# EAGLE board Mk4 Final Panel 8up 2x4 (EAGLE 9.0.1), part 7 of 23 (continued)
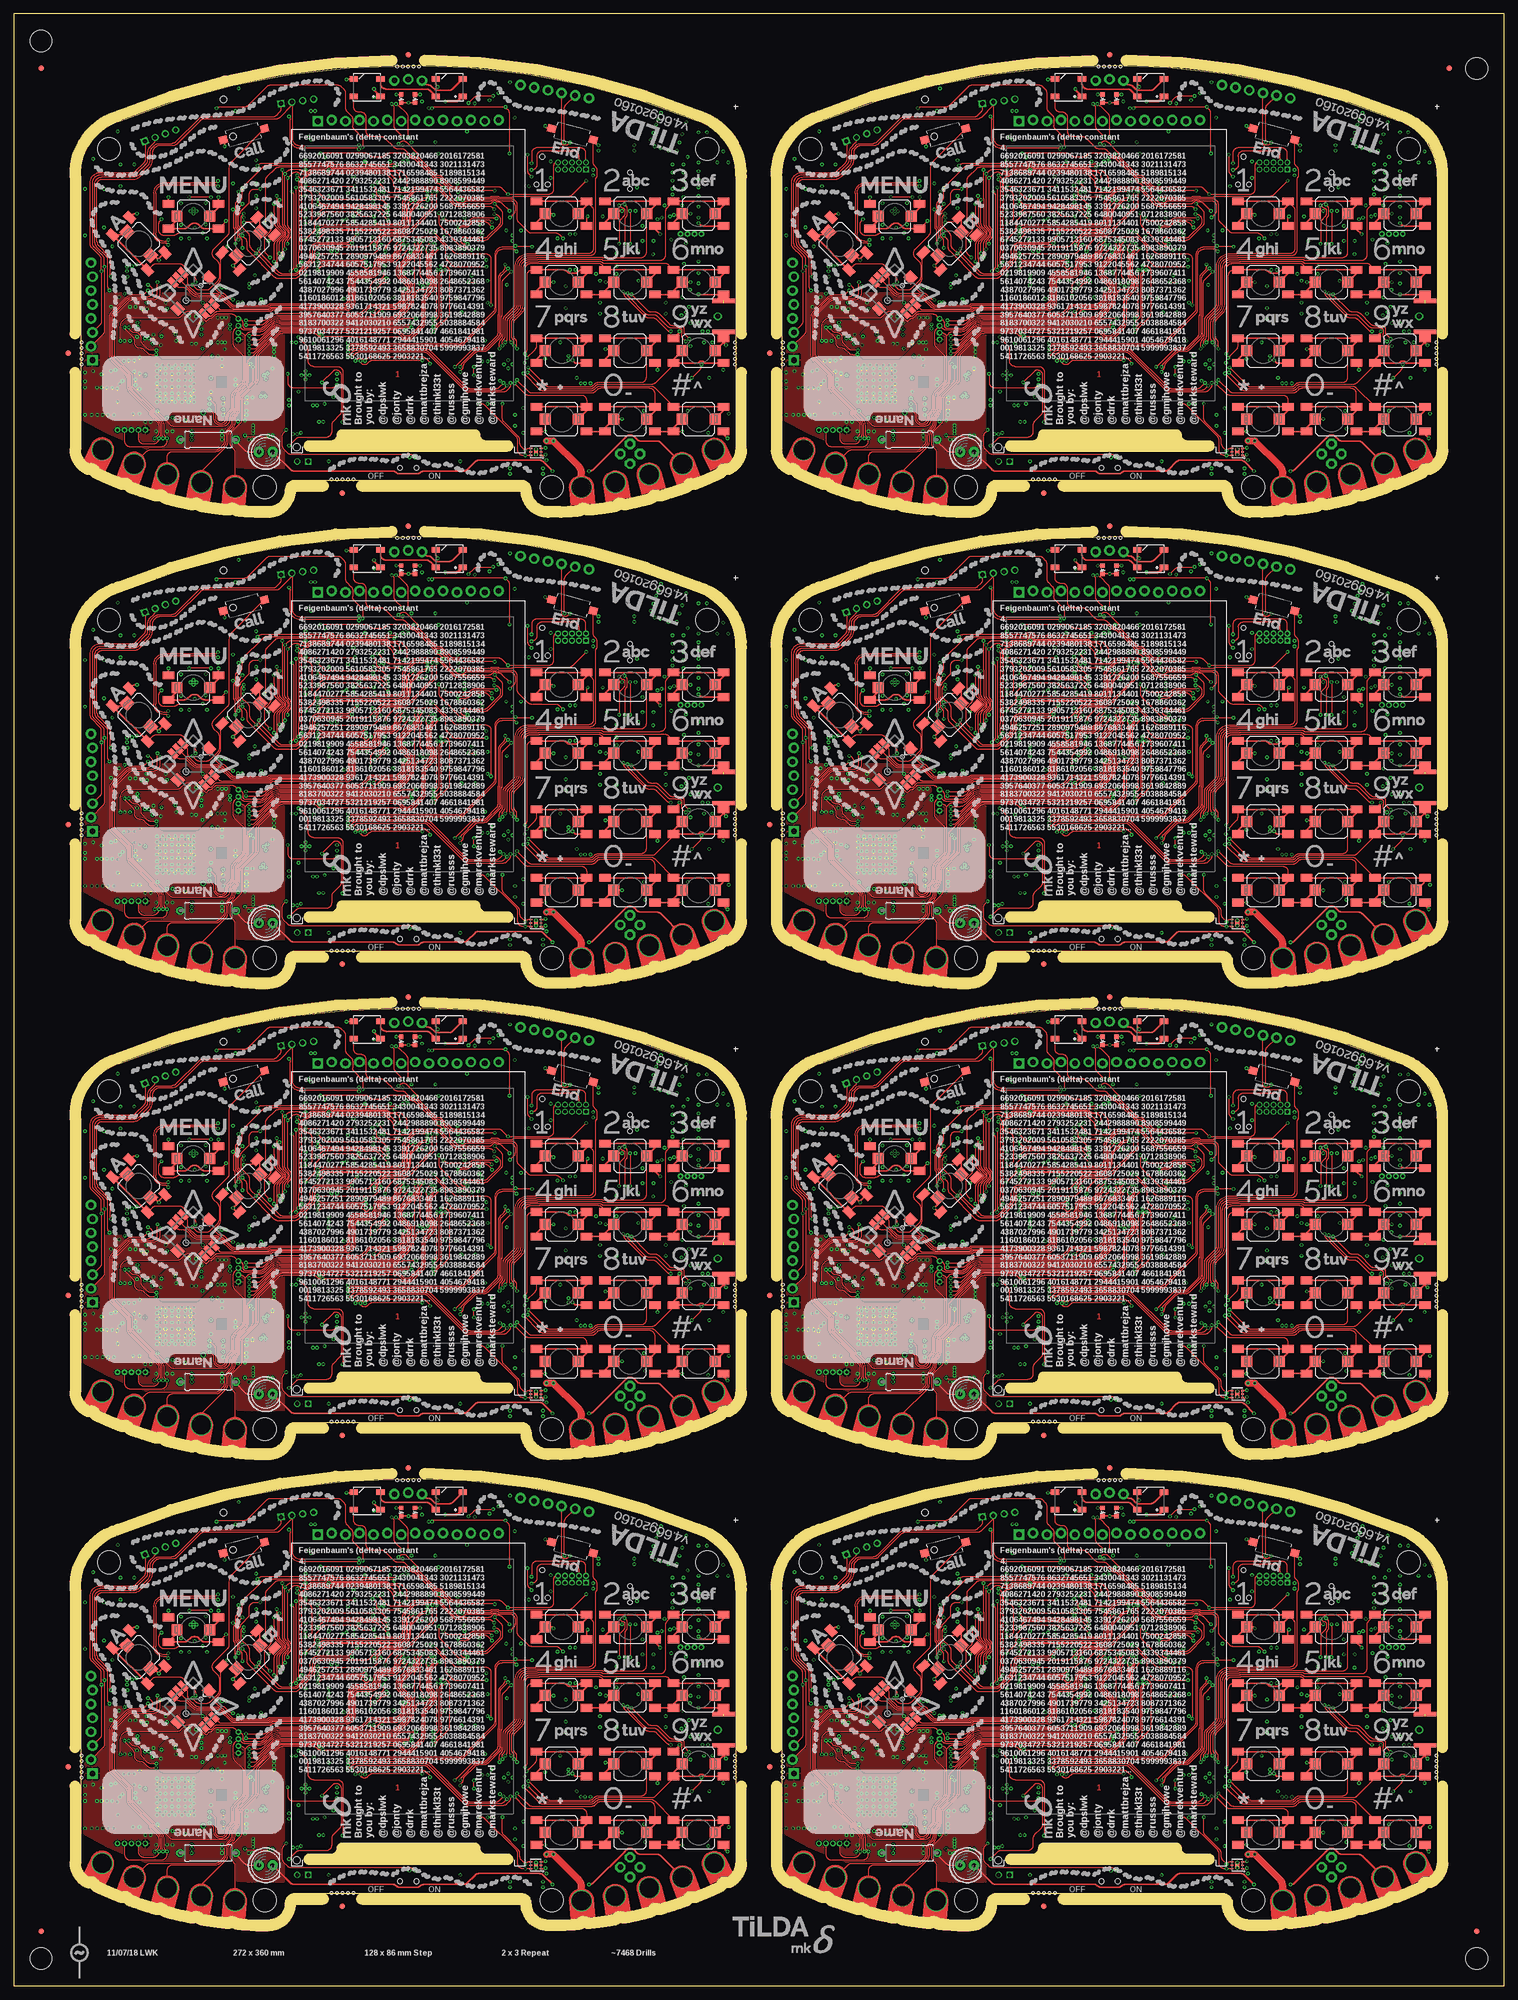
[diagram p0: board, top side]
## Tracks (layer width: path | path; a pad name or v marks a point on that pad's centre or on a via) (continued)
  Bottom 0.2: IC46.1 31.83,153.86 arc-45 32.05,154.4 v32.05,154.5 R233.1
AMP_!SHUTDOWN3  (via drill 0.3)
  Top 0.15: v164,154.5 v160.05,154.5
  3V3@2 0.15: v188.75,150.5 188.75,150.05 188.55,149.85 188.55,141.55 v185.5,138.5
  Bottom 0.15: IC56.46 191.78,150 arc45 191.42,149.85 191.29,149.72 arc-45 190.94,149.57 189.88,149.57 arc-45 189.53,149.72 v188.75,150.5 | v185.5,138.5 185.09,138.91 arc45 184.39,139.2 171.78,139.2 arc-45 171.64,139.26 171.56,139.34 arc45 171.42,139.4 170.76,139.4 arc-45 170.06,139.69 169.54,140.21 arc-45 169.25,140.91 169.25,142.34 arc45 168.96,143.04 167.47,144.53 arc45 167.12,144.68 166.91,144.68 arc-90 166.18,145.41 arc45 165.88,146.12 165.79,146.21 arc-45 165.5,146.91 165.5,151.59 arc45 165.21,152.29 164.29,153.21 arc-45 164,153.91 v164,154.5
  Bottom 0.2: IC64.1 159.82,153.86 arc-45 160.05,154.4 v160.05,154.5 R311.1
AMP_!SHUTDOWN4  (via drill 0.3)
  Top 0.15: v36,240.5 v32.05,240.5
  3V3@2 0.15: v60.75,236.5 60.75,236.05 60.55,235.85 60.55,227.55 v57.5,224.5
  Bottom 0.15: IC74.46 63.77,236 arc45 63.42,235.85 63.29,235.72 arc-45 62.94,235.57 61.88,235.57 arc-45 61.53,235.72 v60.75,236.5 | v57.5,224.5 57.09,224.91 arc45 56.39,225.2 43.78,225.2 arc-45 43.64,225.26 43.56,225.34 arc45 43.42,225.4 42.76,225.4 arc-45 42.06,225.69 41.54,226.21 arc-45 41.25,226.91 41.25,228.34 arc45 40.96,229.04 39.47,230.53 arc45 39.12,230.68 38.91,230.68 arc-90 38.17,231.41 arc45 37.88,232.12 37.79,232.21 arc-45 37.5,232.91 37.5,237.59 arc45 37.21,238.29 36.29,239.21 arc-45 36,239.91 v36,240.5
  Bottom 0.2: IC82.1 31.83,239.86 arc-45 32.05,240.4 v32.05,240.5 R389.1
AMP_!SHUTDOWN5  (via drill 0.3)
  Top 0.15: v164,240.5 v160.05,240.5
  3V3@2 0.15: v188.75,236.5 188.75,236.05 188.55,235.85 188.55,227.55 v185.5,224.5
  Bottom 0.15: IC92.46 191.78,236 arc45 191.42,235.85 191.29,235.72 arc-45 190.94,235.57 189.88,235.57 arc-45 189.53,235.72 v188.75,236.5 | v185.5,224.5 185.09,224.91 arc45 184.39,225.2 171.78,225.2 arc-45 171.64,225.26 171.56,225.34 arc45 171.42,225.4 170.76,225.4 arc-45 170.06,225.69 169.54,226.21 arc-45 169.25,226.91 169.25,228.34 arc45 168.96,229.04 167.47,230.53 arc45 167.12,230.68 166.91,230.68 arc-90 166.18,231.41 arc45 165.88,232.12 165.79,232.21 arc-45 165.5,232.91 165.5,237.59 arc45 165.21,238.29 164.29,239.21 arc-45 164,239.91 v164,240.5
  Bottom 0.2: IC100.1 159.82,239.86 arc-45 160.05,240.4 v160.05,240.5 R467.1
AMP_!SHUTDOWN6  (via drill 0.3)
  Top 0.15: v36,326.5 v32.05,326.5
  3V3@2 0.15: v60.75,322.5 60.75,322.05 60.55,321.85 60.55,313.55 v57.5,310.5
  Bottom 0.15: IC110.46 63.77,322 arc45 63.42,321.85 63.29,321.72 arc-45 62.94,321.57 61.88,321.57 arc-45 61.53,321.72 v60.75,322.5 | v57.5,310.5 57.09,310.91 arc45 56.39,311.2 43.78,311.2 arc-45 43.64,311.26 43.56,311.34 arc45 43.42,311.4 42.76,311.4 arc-45 42.06,311.69 41.54,312.21 arc-45 41.25,312.91 41.25,314.34 arc45 40.96,315.04 39.47,316.53 arc45 39.12,316.68 38.91,316.68 arc-90 38.17,317.41 arc45 37.88,318.12 37.79,318.21 arc-45 37.5,318.91 37.5,323.59 arc45 37.21,324.29 36.29,325.21 arc-45 36,325.91 v36,326.5
  Bottom 0.2: IC118.1 31.83,325.86 arc-45 32.05,326.4 v32.05,326.5 R545.1
AMP_!SHUTDOWN7  (via drill 0.3)
  Top 0.15: v164,326.5 v160.05,326.5
  3V3@2 0.15: v188.75,322.5 188.75,322.05 188.55,321.85 188.55,313.55 v185.5,310.5
  Bottom 0.15: IC128.46 191.78,322 arc45 191.42,321.85 191.29,321.72 arc-45 190.94,321.57 189.88,321.57 arc-45 189.53,321.72 v188.75,322.5 | v185.5,310.5 185.09,310.91 arc45 184.39,311.2 171.78,311.2 arc-45 171.64,311.26 171.56,311.34 arc45 171.42,311.4 170.76,311.4 arc-45 170.06,311.69 169.54,312.21 arc-45 169.25,312.91 169.25,314.34 arc45 168.96,315.04 167.47,316.53 arc45 167.12,316.68 166.91,316.68 arc-90 166.18,317.41 arc45 165.88,318.12 165.79,318.21 arc-45 165.5,318.91 165.5,323.59 arc45 165.21,324.29 164.29,325.21 arc-45 164,325.91 v164,326.5
  Bottom 0.2: IC136.1 159.82,325.86 arc-45 160.05,326.4 v160.05,326.5 R623.1
AMP_IN_N
  Bottom 0.2: 33.42,70.47 R58.2 33.45,69.55 R78.2 33.77,69.22 IC13.4
AMP_IN_N1
  Bottom 0.2: 161.43,70.47 R136.2 161.45,69.55 R154.2 161.78,69.22 IC28.4
AMP_IN_N2
  Bottom 0.2: 33.42,156.47 R214.2 33.45,155.55 R232.2 33.77,155.22 IC46.4
AMP_IN_N3
  Bottom 0.2: 161.43,156.47 R292.2 161.45,155.55 R310.2 161.78,155.22 IC64.4
AMP_IN_N4
  Bottom 0.2: 33.42,242.47 R370.2 33.45,241.55 R388.2 33.77,241.22 IC82.4
AMP_IN_N5
  Bottom 0.2: 161.43,242.47 R448.2 161.45,241.55 R466.2 161.78,241.22 IC100.4
AMP_IN_N6
  Bottom 0.2: 33.42,328.48 R526.2 33.45,327.55 R544.2 33.77,327.23 IC118.4
AMP_IN_N7
  Bottom 0.2: 161.43,328.48 R604.2 161.45,327.55 R622.2 161.78,327.23 IC136.4
AMP_IN_P
  Bottom 0.2: R57.2 R77.2 33.45,73.5 | J9.3 38.76,81.04 arc45 38.05,80.75 J9.2 36.1,78.8 35.8,78.8 33.74,76.74 arc45 33.45,76.04 33.45,73.5 | R75.2 33.45,73.5
AMP_IN_P1
  Bottom 0.2: R135.2 R153.2 161.45,73.5 | J17.3 166.76,81.04 arc45 166.05,80.75 J17.2 164.11,78.8 163.8,78.8 161.74,76.74 arc45 161.45,76.04 161.45,73.5 | R156.2 161.45,73.5
AMP_IN_P2
  Bottom 0.2: R213.2 R231.2 33.45,159.5 | J27.3 38.76,167.04 arc45 38.05,166.75 J27.2 36.1,164.8 35.8,164.8 33.74,162.74 arc45 33.45,162.04 33.45,159.5 | R234.2 33.45,159.5
AMP_IN_P3
  Bottom 0.2: R291.2 R309.2 161.45,159.5 | J37.3 166.76,167.04 arc45 166.05,166.75 J37.2 164.11,164.8 163.8,164.8 161.74,162.74 arc45 161.45,162.04 161.45,159.5 | R312.2 161.45,159.5
AMP_IN_P4
  Bottom 0.2: R369.2 R387.2 33.45,245.5 | J47.3 38.76,253.04 arc45 38.05,252.75 J47.2 36.1,250.8 35.8,250.8 33.74,248.74 arc45 33.45,248.04 33.45,245.5 | R390.2 33.45,245.5
AMP_IN_P5
  Bottom 0.2: R447.2 R465.2 161.45,245.5 | J57.3 166.76,253.04 arc45 166.05,252.75 J57.2 164.11,250.8 163.8,250.8 161.74,248.74 arc45 161.45,248.04 161.45,245.5 | R468.2 161.45,245.5
AMP_IN_P6
  Bottom 0.2: R525.2 R543.2 33.45,331.5 | J67.3 38.76,339.04 arc45 38.05,338.75 J67.2 36.1,336.8 35.8,336.8 33.74,334.74 arc45 33.45,334.04 33.45,331.5 | R546.2 33.45,331.5
AMP_IN_P7
  Bottom 0.2: R603.2 R621.2 161.45,331.5 | J77.3 166.76,339.04 arc45 166.05,338.75 J77.2 164.11,336.8 163.8,336.8 161.74,334.74 arc45 161.45,334.04 161.45,331.5 | R624.2 161.45,331.5
AMP_IN_R1_N
  Bottom 0.15: C106.1 R78.1
AMP_IN_R1_N1
  Bottom 0.15: C214.1 R154.1
AMP_IN_R1_N2
  Bottom 0.15: C322.1 R232.1
AMP_IN_R1_N3
  Bottom 0.15: C430.1 R310.1
AMP_IN_R1_N4
  Bottom 0.15: C538.1 R388.1
AMP_IN_R1_N5
  Bottom 0.15: C646.1 R466.1
AMP_IN_R1_N6
  Bottom 0.15: C754.1 R544.1
AMP_IN_R1_N7
  Bottom 0.15: C862.1 R622.1
AMP_IN_R1_P
  Bottom 0.15: C105.1 R77.1
AMP_IN_R1_P1
  Bottom 0.15: C213.1 R153.1
AMP_IN_R1_P2
  Bottom 0.15: C321.1 R231.1
AMP_IN_R1_P3
  Bottom 0.15: C429.1 R309.1
AMP_IN_R1_P4
  Bottom 0.15: C537.1 R387.1
AMP_IN_R1_P5
  Bottom 0.15: C645.1 R465.1
AMP_IN_R1_P6
  Bottom 0.15: C753.1 R543.1
AMP_IN_R1_P7
  Bottom 0.15: C861.1 R621.1
AMP_IN_R_N
  Bottom 0.2: R58.1 C82.1
AMP_IN_R_N1
  Bottom 0.2: R136.1 C183.1
AMP_IN_R_N2
  Bottom 0.2: R214.1 C291.1
AMP_IN_R_N3
  Bottom 0.2: R292.1 C399.1
AMP_IN_R_N4
  Bottom 0.2: R370.1 C507.1
AMP_IN_R_N5
  Bottom 0.2: R448.1 C615.1
AMP_IN_R_N6
  Bottom 0.2: R526.1 C723.1
AMP_IN_R_N7
  Bottom 0.2: R604.1 C831.1
AMP_IN_R_P
  Bottom 0.2: R57.1 C83.1
AMP_IN_R_P1
  Bottom 0.2: R135.1 C184.1
AMP_IN_R_P2
  Bottom 0.2: R213.1 C292.1
AMP_IN_R_P3
  Bottom 0.2: R291.1 C400.1
AMP_IN_R_P4
  Bottom 0.2: R369.1 C508.1
AMP_IN_R_P5
  Bottom 0.2: R447.1 C616.1
AMP_IN_R_P6
  Bottom 0.2: R525.1 C724.1
AMP_IN_R_P7
  Bottom 0.2: R603.1 C832.1
AMP_IN_TRS_P
  Bottom 0.2: J9.5 44.71,79.83 arc45 45,80.54 45,81.35 arc90 44,82.35 42.51,82.35 arc45 41.81,82.06 41.54,81.79 arc-45 40.84,81.5 36.08,81.5 J9.6 35.32,81.41 arc45 34.62,81.12 34.29,80.79 arc45 34,80.09 34,78.01 arc-45 33.71,77.31 32.79,76.39 arc45 32.5,75.69 R75.1 32.5,69.66 arc45 32.79,68.96 32.83,68.92 arc-45 33.12,68.21 IC13.3
AMP_IN_TRS_P1
  Bottom 0.2: J17.5 172.71,79.83 arc45 173,80.54 173,81.35 arc90 172,82.35 170.51,82.35 arc45 169.81,82.06 169.54,81.79 arc-45 168.84,81.5 164.08,81.5 J17.6 163.32,81.41 arc45 162.62,81.12 162.29,80.79 arc45 162,80.09 162,78.01 arc-45 161.71,77.31 160.79,76.39 arc45 160.5,75.69 R156.1 160.5,69.66 arc45 160.79,68.96 160.83,68.92 arc-45 161.12,68.21 IC28.3
AMP_IN_TRS_P2
  Bottom 0.2: J27.5 44.71,165.83 arc45 45,166.54 45,167.35 arc90 44,168.35 42.51,168.35 arc45 41.81,168.06 41.54,167.79 arc-45 40.84,167.5 36.08,167.5 J27.6 35.32,167.41 arc45 34.62,167.12 34.29,166.79 arc45 34,166.09 34,164.01 arc-45 33.71,163.31 32.79,162.39 arc45 32.5,161.69 R234.1 32.5,155.66 arc45 32.79,154.96 32.83,154.92 arc-45 33.12,154.21 IC46.3
AMP_IN_TRS_P3
  Bottom 0.2: J37.5 172.71,165.83 arc45 173,166.54 173,167.35 arc90 172,168.35 170.51,168.35 arc45 169.81,168.06 169.54,167.79 arc-45 168.84,167.5 164.08,167.5 J37.6 163.32,167.41 arc45 162.62,167.12 162.29,166.79 arc45 162,166.09 162,164.01 arc-45 161.71,163.31 160.79,162.39 arc45 160.5,161.69 R312.1 160.5,155.66 arc45 160.79,154.96 160.83,154.92 arc-45 161.12,154.21 IC64.3
AMP_IN_TRS_P4
  Bottom 0.2: J47.5 44.71,251.83 arc45 45,252.54 45,253.35 arc90 44,254.35 42.51,254.35 arc45 41.81,254.06 41.54,253.79 arc-45 40.84,253.5 36.08,253.5 J47.6 35.32,253.41 arc45 34.62,253.12 34.29,252.79 arc45 34,252.09 34,250.01 arc-45 33.71,249.31 32.79,248.39 arc45 32.5,247.69 R390.1 32.5,241.66 arc45 32.79,240.96 32.83,240.92 arc-45 33.12,240.21 IC82.3
AMP_IN_TRS_P5
  Bottom 0.2: J57.5 172.71,251.83 arc45 173,252.54 173,253.35 arc90 172,254.35 170.51,254.35 arc45 169.81,254.06 169.54,253.79 arc-45 168.84,253.5 164.08,253.5 J57.6 163.32,253.41 arc45 162.62,253.12 162.29,252.79 arc45 162,252.09 162,250.01 arc-45 161.71,249.31 160.79,248.39 arc45 160.5,247.69 R468.1 160.5,241.66 arc45 160.79,240.96 160.83,240.92 arc-45 161.12,240.21 IC100.3
AMP_IN_TRS_P6
  Bottom 0.2: J67.5 44.71,337.83 arc45 45,338.54 45,339.35 arc90 44,340.35 42.51,340.35 arc45 41.81,340.06 41.54,339.79 arc-45 40.84,339.5 36.08,339.5 J67.6 35.32,339.41 arc45 34.62,339.12 34.29,338.79 arc45 34,338.09 34,336.01 arc-45 33.71,335.31 32.79,334.39 arc45 32.5,333.69 R546.1 32.5,327.66 arc45 32.79,326.96 32.83,326.92 arc-45 33.12,326.21 IC118.3
AMP_IN_TRS_P7
  Bottom 0.2: J77.5 172.71,337.83 arc45 173,338.54 173,339.35 arc90 172,340.35 170.51,340.35 arc45 169.81,340.06 169.54,339.79 arc-45 168.84,339.5 164.08,339.5 J77.6 163.32,339.41 arc45 162.62,339.12 162.29,338.79 arc45 162,338.09 162,336.01 arc-45 161.71,335.31 160.79,334.39 arc45 160.5,333.69 R624.1 160.5,327.66 arc45 160.79,326.96 160.83,326.92 arc-45 161.12,326.21 IC136.3
BQ_!CE
  Bottom 0.15: R17.1 IC8.9
BQ_!CE1
  Bottom 0.15: R99.1 IC24.9
BQ_!CE2
  Bottom 0.15: R177.1 IC42.9
BQ_!CE3
  Bottom 0.15: R255.1 IC60.9
BQ_!CE4
  Bottom 0.15: R333.1 IC78.9
BQ_!CE5
  Bottom 0.15: R411.1 IC96.9
BQ_!CE6
  Bottom 0.15: R489.1 IC114.9
BQ_!CE7
  Bottom 0.15: R567.1 IC132.9
BQ_!INT  (via drill 0.3)
  Top 0.15: v73,59.2 73,58.66 arc-45 72.85,58.31 70.58,56.04 arc90 70.58,53.92 72.08,52.42 arc-45 72.3,51.89 72.3,51.53 arc-45 72.15,51.18 71.95,50.97 arc45 71.8,50.62 71.8,50.33 arc-45 71.29,49.09 70.81,48.61 arc-45 69.58,48.1 67.41,48.1 arc45 66.71,47.81 66.05,47.15 arc-90 65.35,47.15 v64.9,47.6
  Bottom 0.15: v73,59.2 IC1.14 | IC8.7 63.9,37.25 arc90 64.9,38.25 v64.9,47.6
BQ_!INT1  (via drill 0.3)
  Top 0.15: v201,59.2 201,58.66 arc-45 200.85,58.31 198.58,56.04 arc90 198.58,53.92 200.08,52.42 arc-45 200.3,51.89 200.3,51.53 arc-45 200.15,51.18 199.95,50.97 arc45 199.8,50.62 199.8,50.33 arc-45 199.29,49.09 198.81,48.61 arc-45 197.57,48.1 195.41,48.1 arc45 194.71,47.81 194.05,47.15 arc-90 193.35,47.15 v192.9,47.6
  Bottom 0.15: v201,59.2 IC20.14 | IC24.7 191.9,37.25 arc90 192.9,38.25 v192.9,47.6
BQ_!INT2  (via drill 0.3)
  Top 0.15: v73,145.2 73,144.66 arc-45 72.85,144.31 70.58,142.04 arc90 70.58,139.92 72.08,138.42 arc-45 72.3,137.89 72.3,137.53 arc-45 72.15,137.18 71.95,136.97 arc45 71.8,136.62 71.8,136.32 arc-45 71.29,135.09 70.81,134.61 arc-45 69.58,134.1 67.41,134.1 arc45 66.71,133.81 66.05,133.15 arc-90 65.35,133.15 v64.9,133.6
  Bottom 0.15: v73,145.2 IC38.14 | IC42.7 63.9,123.25 arc90 64.9,124.25 v64.9,133.6
BQ_!INT3  (via drill 0.3)
  Top 0.15: v201,145.2 201,144.66 arc-45 200.85,144.31 198.58,142.04 arc90 198.58,139.92 200.08,138.42 arc-45 200.3,137.89 200.3,137.53 arc-45 200.15,137.18 199.95,136.97 arc45 199.8,136.62 199.8,136.32 arc-45 199.29,135.09 198.81,134.61 arc-45 197.57,134.1 195.41,134.1 arc45 194.71,133.81 194.05,133.15 arc-90 193.35,133.15 v192.9,133.6
  Bottom 0.15: v201,145.2 IC56.14 | IC60.7 191.9,123.25 arc90 192.9,124.25 v192.9,133.6
BQ_!INT4  (via drill 0.3)
  Top 0.15: v73,231.2 73,230.66 arc-45 72.85,230.31 70.58,228.04 arc90 70.58,225.92 72.08,224.42 arc-45 72.3,223.89 72.3,223.53 arc-45 72.15,223.18 71.95,222.97 arc45 71.8,222.62 71.8,222.32 arc-45 71.29,221.09 70.81,220.61 arc-45 69.58,220.1 67.41,220.1 arc45 66.71,219.81 66.05,219.15 arc-90 65.35,219.15 v64.9,219.6
  Bottom 0.15: v73,231.2 IC74.14 | IC78.7 63.9,209.25 arc90 64.9,210.25 v64.9,219.6
BQ_!INT5  (via drill 0.3)
  Top 0.15: v201,231.2 201,230.66 arc-45 200.85,230.31 198.58,228.04 arc90 198.58,225.92 200.08,224.42 arc-45 200.3,223.89 200.3,223.53 arc-45 200.15,223.18 199.95,222.97 arc45 199.8,222.62 199.8,222.32 arc-45 199.29,221.09 198.81,220.61 arc-45 197.57,220.1 195.41,220.1 arc45 194.71,219.81 194.05,219.15 arc-90 193.35,219.15 v192.9,219.6
  Bottom 0.15: v201,231.2 IC92.14 | IC96.7 191.9,209.25 arc90 192.9,210.25 v192.9,219.6
BQ_!INT6  (via drill 0.3)
  Top 0.15: v73,317.2 73,316.67 arc-45 72.85,316.31 70.58,314.04 arc90 70.58,311.92 72.08,310.42 arc-45 72.3,309.89 72.3,309.53 arc-45 72.15,309.18 71.95,308.97 arc45 71.8,308.62 71.8,308.32 arc-45 71.29,307.09 70.81,306.61 arc-45 69.58,306.1 67.41,306.1 arc45 66.71,305.81 66.05,305.15 arc-90 65.35,305.15 v64.9,305.6
  Bottom 0.15: v73,317.2 IC110.14 | IC114.7 63.9,295.25 arc90 64.9,296.25 v64.9,305.6
BQ_!INT7  (via drill 0.3)
  Top 0.15: v201,317.2 201,316.67 arc-45 200.85,316.31 198.58,314.04 arc90 198.58,311.92 200.08,310.42 arc-45 200.3,309.89 200.3,309.53 arc-45 200.15,309.18 199.95,308.97 arc45 199.8,308.62 199.8,308.32 arc-45 199.29,307.09 198.81,306.61 arc-45 197.57,306.1 195.41,306.1 arc45 194.71,305.81 194.05,305.15 arc-90 193.35,305.15 v192.9,305.6
  Bottom 0.15: v201,317.2 IC128.14 | IC132.7 191.9,295.25 arc90 192.9,296.25 v192.9,305.6
BQ_!QON  (via drill 0.3)
  Top 0.15: v56.25,34.7 58.41,36.86 arc-45 58.75,37 arc-90 59.75,36 59.75,29.41 arc-45 59.46,28.71 58.29,27.54 arc45 58,26.84 58,25.65 arc-90 57,24.65 52.16,24.65 arc45 51.46,24.36 v50.25,23.15
  Bottom 0.15: IC8.12 56.2,34.75 v56.25,34.7 | JP3.2 50.54,21.46 arc-45 50.25,22.16 v50.25,23.15
BQ_!QON1  (via drill 0.3)
  Top 0.15: v184.25,34.7 186.41,36.86 arc-45 186.75,37 arc-90 187.75,36 187.75,29.41 arc-45 187.46,28.71 186.29,27.54 arc45 186,26.84 186,25.65 arc-90 185,24.65 180.16,24.65 arc45 179.46,24.36 v178.25,23.15
  Bottom 0.15: IC24.12 184.2,34.75 v184.25,34.7 | JP13.2 178.54,21.46 arc-45 178.25,22.16 v178.25,23.15
BQ_!QON2  (via drill 0.3)
  Top 0.15: v56.25,120.7 58.41,122.86 arc-45 58.75,123 arc-90 59.75,122 59.75,115.41 arc-45 59.46,114.71 58.29,113.54 arc45 58,112.84 58,111.65 arc-90 57,110.65 52.16,110.65 arc45 51.46,110.36 v50.25,109.15
  Bottom 0.15: IC42.12 56.2,120.75 v56.25,120.7 | JP22.2 50.54,107.46 arc-45 50.25,108.16 v50.25,109.15
BQ_!QON3  (via drill 0.3)
  Top 0.15: v184.25,120.7 186.41,122.86 arc-45 186.75,123 arc-90 187.75,122 187.75,115.41 arc-45 187.46,114.71 186.29,113.54 arc45 186,112.84 186,111.65 arc-90 185,110.65 180.16,110.65 arc45 179.46,110.36 v178.25,109.15
  Bottom 0.15: IC60.12 184.2,120.75 v184.25,120.7 | JP31.2 178.54,107.46 arc-45 178.25,108.16 v178.25,109.15
BQ_!QON4  (via drill 0.3)
  Top 0.15: v56.25,206.7 58.41,208.86 arc-45 58.75,209 arc-90 59.75,208 59.75,201.41 arc-45 59.46,200.71 58.29,199.54 arc45 58,198.84 58,197.65 arc-90 57,196.65 52.16,196.65 arc45 51.46,196.36 v50.25,195.15
  Bottom 0.15: IC78.12 56.2,206.75 v56.25,206.7 | JP40.2 50.54,193.46 arc-45 50.25,194.16 v50.25,195.15
BQ_!QON5  (via drill 0.3)
  Top 0.15: v184.25,206.7 186.41,208.86 arc-45 186.75,209 arc-90 187.75,208 187.75,201.41 arc-45 187.46,200.71 186.29,199.54 arc45 186,198.84 186,197.65 arc-90 185,196.65 180.16,196.65 arc45 179.46,196.36 v178.25,195.15
  Bottom 0.15: IC96.12 184.2,206.75 v184.25,206.7 | JP49.2 178.54,193.46 arc-45 178.25,194.16 v178.25,195.15
BQ_!QON6  (via drill 0.3)
  Top 0.15: v56.25,292.7 58.41,294.86 arc-45 58.75,295 arc-90 59.75,294 59.75,287.41 arc-45 59.46,286.71 58.29,285.54 arc45 58,284.84 58,283.65 arc-90 57,282.65 52.16,282.65 arc45 51.46,282.36 v50.25,281.15
  Bottom 0.15: IC114.12 56.2,292.75 v56.25,292.7 | JP58.2 50.54,279.46 arc-45 50.25,280.16 v50.25,281.15
BQ_!QON7  (via drill 0.3)
  Top 0.15: v184.25,292.7 186.41,294.86 arc-45 186.75,295 arc-90 187.75,294 187.75,287.41 arc-45 187.46,286.71 186.29,285.54 arc45 186,284.84 186,283.65 arc-90 185,282.65 180.16,282.65 arc45 179.46,282.36 v178.25,281.15
  Bottom 0.15: IC132.12 184.2,292.75 v184.25,292.7 | JP67.2 178.54,279.46 arc-45 178.25,280.16 v178.25,281.15
BQ_PMID
  Bottom 0.3: IC8.23 50.42,36.75
  Bottom 0.4: C36.1 49.3,37.04 49.92,37.04 arc-45 50.27,36.9 50.42,36.75
BQ_PMID1
  Bottom 0.3: IC24.23 178.42,36.75
  Bottom 0.4: C148.1 177.31,37.04 177.92,37.04 arc-45 178.27,36.9 178.42,36.75
BQ_PMID2
  Bottom 0.3: IC42.23 50.42,122.75
  Bottom 0.4: C256.1 49.3,123.04 49.92,123.04 arc-45 50.27,122.9 50.42,122.75
BQ_PMID3
  Bottom 0.3: IC60.23 178.42,122.75
  Bottom 0.4: C364.1 177.31,123.04 177.92,123.04 arc-45 178.27,122.9 178.42,122.75
BQ_PMID4
  Bottom 0.3: IC78.23 50.42,208.75
  Bottom 0.4: C472.1 49.3,209.04 49.92,209.04 arc-45 50.27,208.9 50.42,208.75
BQ_PMID5
  Bottom 0.3: IC96.23 178.42,208.75
  Bottom 0.4: C580.1 177.31,209.04 177.92,209.04 arc-45 178.27,208.9 178.42,208.75
BQ_PMID6
  Bottom 0.3: IC114.23 50.42,294.75
  Bottom 0.4: C688.1 49.3,295.05 49.92,295.05 arc-45 50.27,294.9 50.42,294.75
BQ_PMID7
  Bottom 0.3: IC132.23 178.42,294.75
  Bottom 0.4: C796.1 177.31,295.05 177.92,295.05 arc-45 178.27,294.9 178.42,294.75
BQ_PSEL
  Bottom 0.15: IC8.2 52.5,41.25 R19.1 R18.1
BQ_PSEL1
  Bottom 0.15: IC24.2 180.5,41.25 R101.1 R100.1
BQ_PSEL2
  Bottom 0.15: IC42.2 52.5,127.25 R179.1 R178.1
BQ_PSEL3
  Bottom 0.15: IC60.2 180.5,127.25 R257.1 R256.1
BQ_PSEL4
  Bottom 0.15: IC78.2 52.5,213.25 R335.1 R334.1
BQ_PSEL5
  Bottom 0.15: IC96.2 180.5,213.25 R413.1 R412.1
BQ_PSEL6
  Bottom 0.15: IC114.2 52.5,299.25 R491.1 R490.1
BQ_PSEL7
  Bottom 0.15: IC132.2 180.5,299.25 R569.1 R568.1
BQ_REGN  (via drill 0.3)
  Top 0.2: v50,36.25 50,34.75 arc90 51,33.75 58.09,33.75 arc45 58.79,34.04 v59,34.25
  Bottom 0.25: IC8.22 v50,36.25
  Bottom 0.3: R16.2 v59,34.25
  Bottom 0.4: C39.2 v50,36.25
BQ_REGN1  (via drill 0.3)
  Top 0.2: v178,36.25 178,34.75 arc90 179,33.75 186.09,33.75 arc45 186.79,34.04 v187,34.25
  Bottom 0.25: IC24.22 v178,36.25
  Bottom 0.3: R98.2 v187,34.25
  Bottom 0.4: C149.2 v178,36.25
BQ_REGN2  (via drill 0.3)
  Top 0.2: v50,122.25 50,120.75 arc90 51,119.75 58.09,119.75 arc45 58.79,120.04 v59,120.25
  Bottom 0.25: IC42.22 v50,122.25
  Bottom 0.3: R176.2 v59,120.25
  Bottom 0.4: C257.2 v50,122.25
BQ_REGN3  (via drill 0.3)
  Top 0.2: v178,122.25 178,120.75 arc90 179,119.75 186.09,119.75 arc45 186.79,120.04 v187,120.25
  Bottom 0.25: IC60.22 v178,122.25
  Bottom 0.3: R254.2 v187,120.25
  Bottom 0.4: C365.2 v178,122.25
BQ_REGN4  (via drill 0.3)
  Top 0.2: v50,208.25 50,206.75 arc90 51,205.75 58.09,205.75 arc45 58.79,206.04 v59,206.25
  Bottom 0.25: IC78.22 v50,208.25
  Bottom 0.3: R332.2 v59,206.25
  Bottom 0.4: C473.2 v50,208.25
BQ_REGN5  (via drill 0.3)
  Top 0.2: v178,208.25 178,206.75 arc90 179,205.75 186.09,205.75 arc45 186.79,206.04 v187,206.25
  Bottom 0.25: IC96.22 v178,208.25
  Bottom 0.3: R410.2 v187,206.25
  Bottom 0.4: C581.2 v178,208.25
BQ_REGN6  (via drill 0.3)
  Top 0.2: v50,294.25 50,292.75 arc90 51,291.75 58.09,291.75 arc45 58.79,292.04 v59,292.25
  Bottom 0.25: IC114.22 v50,294.25
  Bottom 0.3: R488.2 v59,292.25
  Bottom 0.4: C689.2 v50,294.25
BQ_REGN7  (via drill 0.3)
  Top 0.2: v178,294.25 178,292.75 arc90 179,291.75 186.09,291.75 arc45 186.79,292.04 v187,292.25
  Bottom 0.25: IC132.22 v178,294.25
  Bottom 0.3: R566.2 v187,292.25
  Bottom 0.4: C797.2 v178,294.25
BQ_STAT
  Bottom 0.15: IC8.4 53.5,39.25 R20.1
BQ_STAT1
  Bottom 0.15: IC24.4 181.5,39.25 R102.1
BQ_STAT2
  Bottom 0.15: IC42.4 53.5,125.25 R180.1
BQ_STAT3
  Bottom 0.15: IC60.4 181.5,125.25 R258.1
BQ_STAT4
  Bottom 0.15: IC78.4 53.5,211.25 R336.1
BQ_STAT5
  Bottom 0.15: IC96.4 181.5,211.25 R414.1
BQ_STAT6
  Bottom 0.15: IC114.4 53.5,297.25 R492.1
BQ_STAT7
  Bottom 0.15: IC132.4 181.5,297.25 R570.1
BQ_STAT_R
  Bottom 0.15: LED6.C 54,40.75 R20.2
BQ_STAT_R1
  Bottom 0.15: LED12.C 182,40.75 R102.2
BQ_STAT_R2
  Bottom 0.15: LED18.C 54,126.75 R180.2
BQ_STAT_R3
  Bottom 0.15: LED24.C 182,126.75 R258.2
BQ_STAT_R4
  Bottom 0.15: LED30.C 54,212.75 R336.2
BQ_STAT_R5
  Bottom 0.15: LED36.C 182,212.75 R414.2
BQ_STAT_R6
  Bottom 0.15: LED42.C 54,298.75 R492.2
BQ_STAT_R7
  Bottom 0.15: LED48.C 182,298.75 R570.2
BQ_SW
  pour Bottom (no thermals): 51.5,35.3 50.3,35.3 49.85,34.85 arc-45 49.49,34.7 49.01,34.7 arc-45 48.65,34.85 48.5,35 48.5,35.45 48.05,35.45 47.3,34.7 arc45 47.15,34.34 47.15,32.5 49.5,32.5 arc90 50,33 50,33.79 arc-45 50.15,34.15 50.7,34.7 51.5,34.7
BQ_SW1
  pour Bottom (no thermals): 179.5,35.3 178.3,35.3 177.85,34.85 arc-45 177.49,34.7 177.01,34.7 arc-45 176.65,34.85 176.5,35 176.5,35.45 176.05,35.45 175.3,34.7 arc45 175.15,34.34 175.15,32.5 177.5,32.5 arc90 178,33 178,33.79 arc-45 178.15,34.15 178.7,34.7 179.5,34.7
BQ_SW2
  pour Bottom (no thermals): 51.5,121.3 50.3,121.3 49.85,120.85 arc-45 49.49,120.7 49.01,120.7 arc-45 48.65,120.85 48.5,121 48.5,121.45 48.05,121.45 47.3,120.7 arc45 47.15,120.34 47.15,118.5 49.5,118.5 arc90 50,119 50,119.79 arc-45 50.15,120.15 50.7,120.7 51.5,120.7
BQ_SW3
  pour Bottom (no thermals): 179.5,121.3 178.3,121.3 177.85,120.85 arc-45 177.49,120.7 177.01,120.7 arc-45 176.65,120.85 176.5,121 176.5,121.45 176.05,121.45 175.3,120.7 arc45 175.15,120.34 175.15,118.5 177.5,118.5 arc90 178,119 178,119.79 arc-45 178.15,120.15 178.7,120.7 179.5,120.7
BQ_SW4
  pour Bottom (no thermals): 51.5,207.3 50.3,207.3 49.85,206.85 arc-45 49.49,206.7 49.01,206.7 arc-45 48.65,206.85 48.5,207 48.5,207.45 48.05,207.45 47.3,206.7 arc45 47.15,206.34 47.15,204.5 49.5,204.5 arc90 50,205 50,205.79 arc-45 50.15,206.15 50.7,206.7 51.5,206.7
BQ_SW5
  pour Bottom (no thermals): 179.5,207.3 178.3,207.3 177.85,206.85 arc-45 177.49,206.7 177.01,206.7 arc-45 176.65,206.85 176.5,207 176.5,207.45 176.05,207.45 175.3,206.7 arc45 175.15,206.34 175.15,204.5 177.5,204.5 arc90 178,205 178,205.79 arc-45 178.15,206.15 178.7,206.7 179.5,206.7
BQ_SW6
  pour Bottom (no thermals): 51.5,293.3 50.3,293.3 49.85,292.85 arc-45 49.49,292.7 49.01,292.7 arc-45 48.65,292.85 48.5,293 48.5,293.45 48.05,293.45 47.3,292.7 arc45 47.15,292.34 47.15,290.5 49.5,290.5 arc90 50,291 50,291.79 arc-45 50.15,292.15 50.7,292.7 51.5,292.7
BQ_SW7
  pour Bottom (no thermals): 179.5,293.3 178.3,293.3 177.85,292.85 arc-45 177.49,292.7 177.01,292.7 arc-45 176.65,292.85 176.5,293 176.5,293.45 176.05,293.45 175.3,292.7 arc45 175.15,292.34 175.15,290.5 177.5,290.5 arc90 178,291 178,291.79 arc-45 178.15,292.15 178.7,292.7 179.5,292.7
BQ_TS
  Bottom 0.15: R16.1 R15.2 IC8.11
BQ_TS1
  Bottom 0.15: R98.1 R97.2 IC24.11
BQ_TS2
  Bottom 0.15: R176.1 R175.2 IC42.11
BQ_TS3
  Bottom 0.15: R254.1 R253.2 IC60.11
BQ_TS4
  Bottom 0.15: R332.1 R331.2 IC78.11
BQ_TS5
  Bottom 0.15: R410.1 R409.2 IC96.11
BQ_TS6
  Bottom 0.15: R488.1 R487.2 IC114.11
BQ_TS7
  Bottom 0.15: R566.1 R565.2 IC132.11
BT_ANT
  Bottom 0.4: IC5.20 115.8,63 arc-90 118.8,66 119.25,66 arc90 121.25,68 121.25,75.5 arc-21 122,76.5 arc-6 C74.2 arc-6 L5.1
BT_ANT1
  Bottom 0.4: IC21.20 243.8,63 arc-90 246.8,66 247.25,66 arc90 249.25,68 249.25,75.5 arc-21 250,76.5 arc-6 C175.2 arc-6 L14.1
BT_ANT2
  Bottom 0.4: IC39.20 115.8,149 arc-90 118.8,152 119.25,152 arc90 121.25,154 121.25,161.5 arc-21 122,162.5 arc-6 C283.2 arc-6 L23.1
BT_ANT3
  Bottom 0.4: IC57.20 243.8,149 arc-90 246.8,152 247.25,152 arc90 249.25,154 249.25,161.5 arc-21 250,162.5 arc-6 C391.2 arc-6 L32.1
BT_ANT4
  Bottom 0.4: IC75.20 115.8,235 arc-90 118.8,238 119.25,238 arc90 121.25,240 121.25,247.5 arc-21 122,248.5 arc-6 C499.2 arc-6 L41.1
BT_ANT5
  Bottom 0.4: IC93.20 243.8,235 arc-90 246.8,238 247.25,238 arc90 249.25,240 249.25,247.5 arc-21 250,248.5 arc-6 C607.2 arc-6 L50.1
BT_ANT6
  Bottom 0.4: IC111.20 115.8,321 arc-90 118.8,324 119.25,324 arc90 121.25,326 121.25,333.5 arc-21 122,334.5 arc-6 C715.2 arc-6 L59.1
BT_ANT7
  Bottom 0.4: IC129.20 243.8,321 arc-90 246.8,324 247.25,324 arc90 249.25,326 249.25,333.5 arc-21 250,334.5 arc-6 C823.2 arc-6 L68.1
BT_ANT_L
  Bottom 0.4: L5.2 arc-10 C75.2 123.28,80.22 arc85 123,80.75 arc15 ANT2.1
BT_ANT_L1
  Bottom 0.4: L14.2 arc-10 C176.2 251.28,80.22 arc85 251,80.75 arc15 ANT4.1
BT_ANT_L2
  Bottom 0.4: L23.2 arc-10 C284.2 123.28,166.22 arc85 123,166.75 arc15 ANT6.1
BT_ANT_L3
  Bottom 0.4: L32.2 arc-10 C392.2 251.28,166.22 arc85 251,166.75 arc15 ANT8.1